# Altium PCB BCS1_REV2.2.PcbDoc (part 3 of 4) (continued)
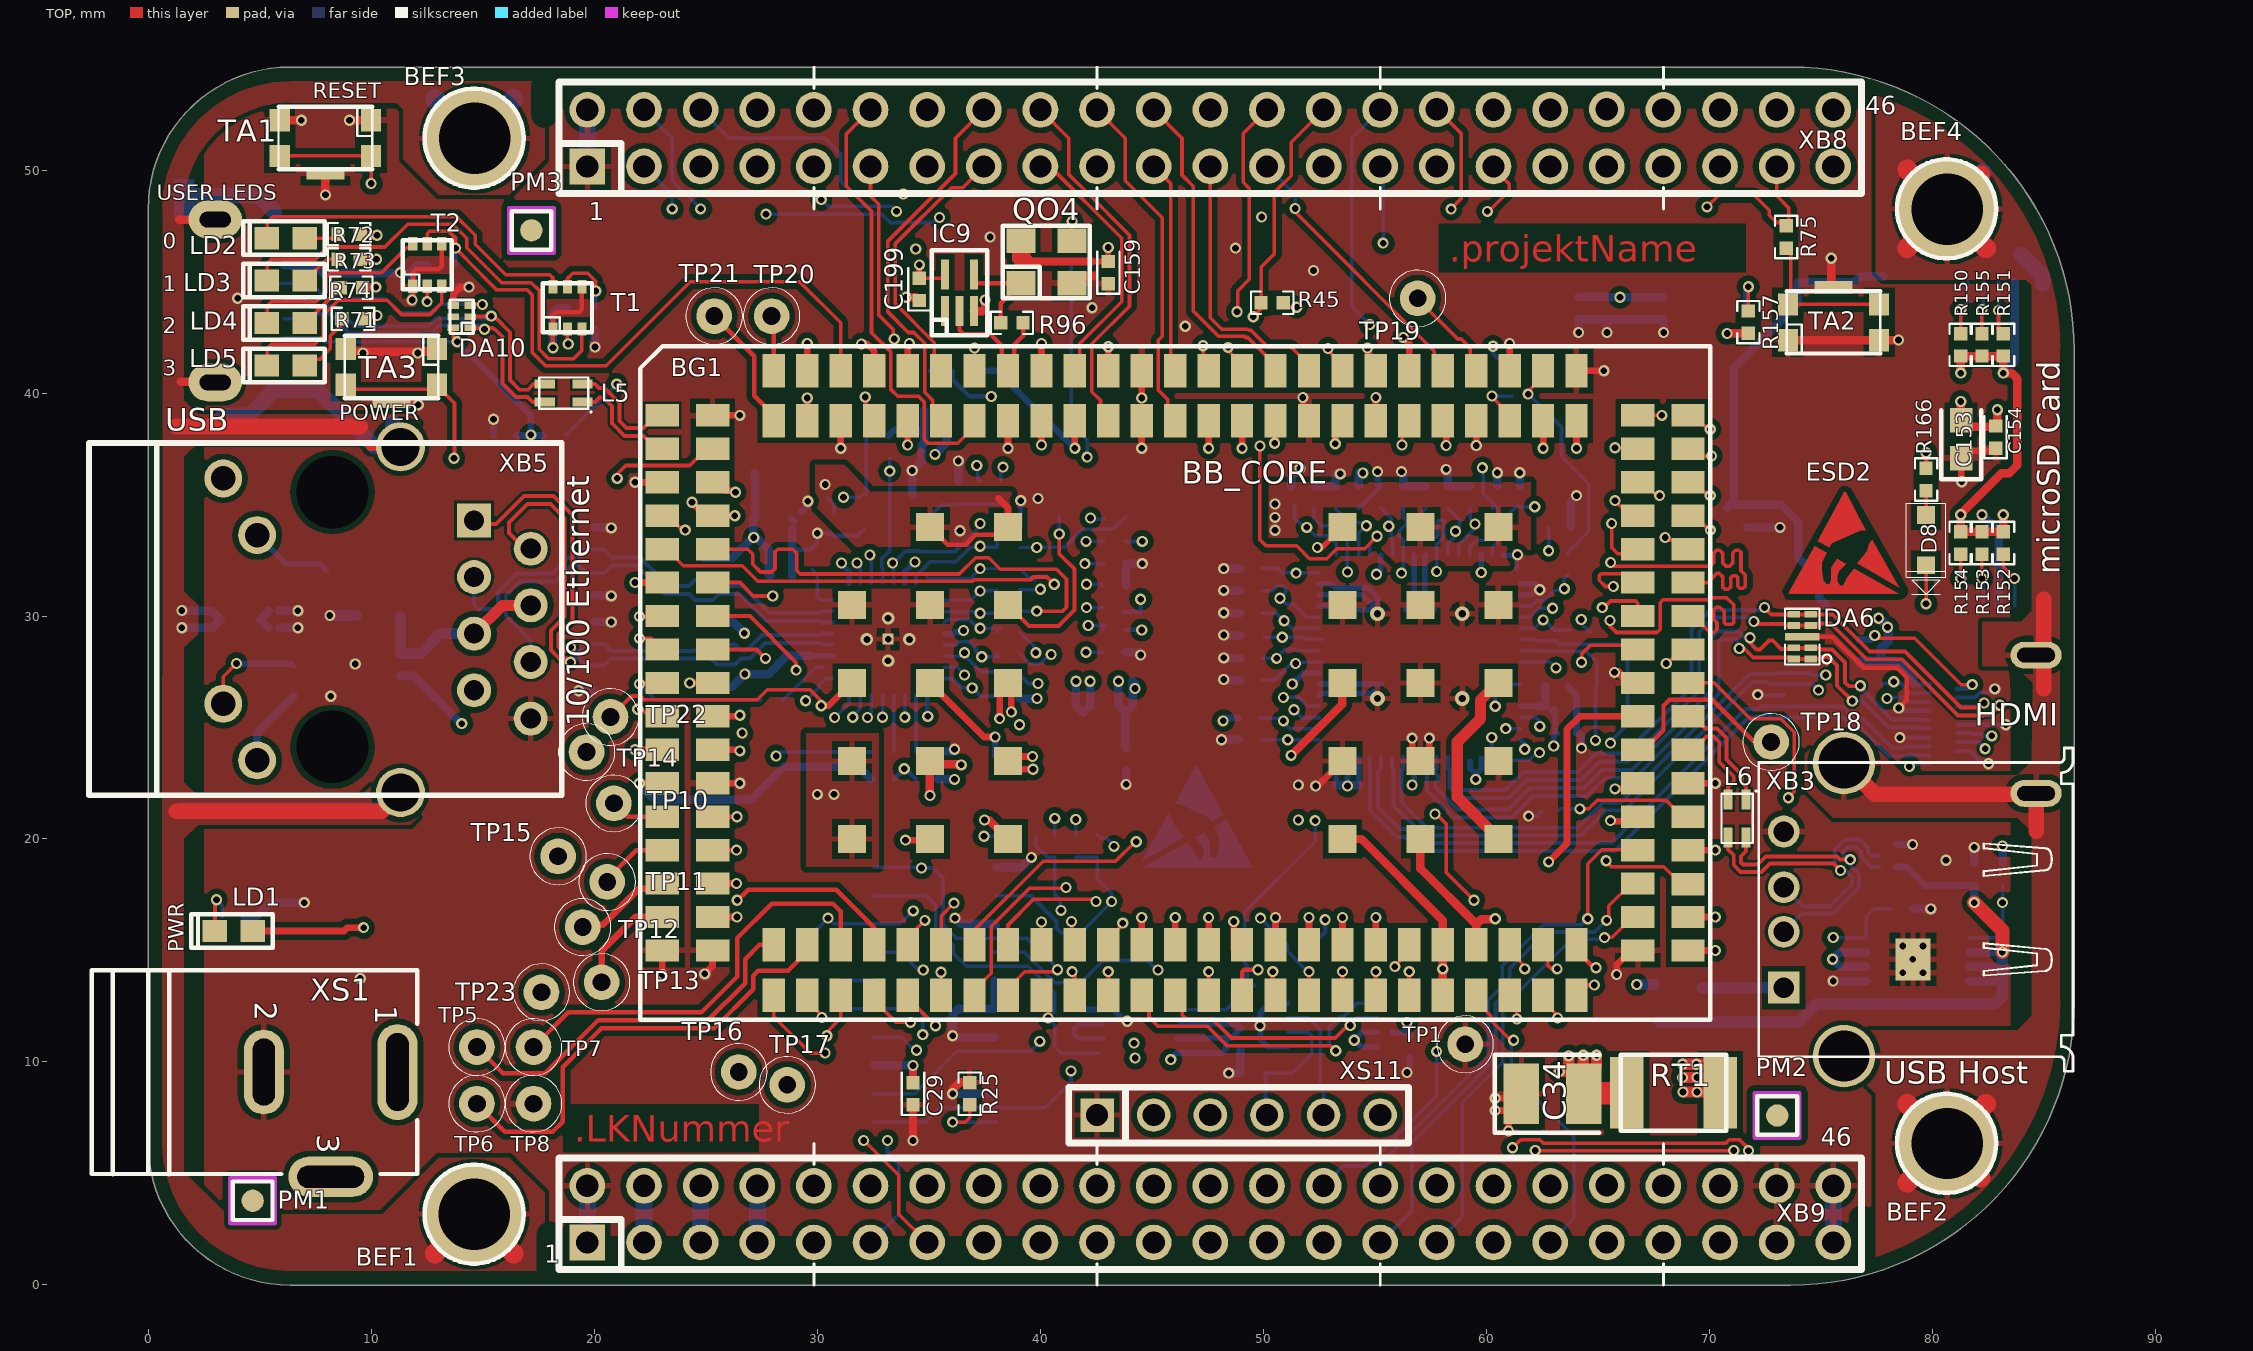
[diagram p0: TOP view]
## Nets (pads, with @x,y where several pads share a name; then routed paths per layer and width w, separated by ;. In a path a pad name is that pad's centre, name@x,y a point inside that pad or via, vN(x,y) a via of type N, cw(c..) or ccw(c..) an arc to the next point about the centre after c; other vN are vias at no path point) (continued)
  BOTTOM w0.16: v1(31.588,25.457) 31.588,25.515 31.924,25.852 IC14.23@31.924,26.435
MII1_TXD2: BG1.25 IC14.24 | length 8.7
  TOP w0.178: BG1.25@25.3,28.5 27.275,28.5 v1(27.675,28.1)
  LAYER 3 w0.178: v1(27.675,28.1) 27.675,27.525 28.454,26.746 30.154,26.746 30.775,26.125 v1(30.775,25.45)
  BOTTOM w0.16: v1@30.788,25.438 31.424,26.074 IC14.24@31.424,26.435
MII1_TXD3: BG1.8 IC14.25 | length 11.5
  TOP w0.16: v1(22.025,29) 22.55,29 BG1.8@23.05,28.5
  LAYER 3 w0.16: v1(22.025,29) 24.375,29 26.88,26.495 28.133,26.495 28.428,26.2 v1(29.475,26.2)
  BOTTOM w0.16: v1(29.475,26.2) 30.064,26.789 30.064,26.881 30.381,27.199 IC14.25@30.66,27.199
MII1_TXEN: BG1.10 IC14.21 | length 14.5
  TOP w0.16: v1(21.946,25.821) 21.951,25.826 21.946,25.826 21.926,25.826 21.934,25.834 22.025,25.925 22.037,25.913 22.45,25.5 BG1.10@23.05,25.5
  LAYER 3 w0.16: v1(21.946,25.821) 21.951,25.826 21.946,25.826 21.926,25.826 21.934,25.834 22.275,26.175 28,26.175 29.25,24.925 32.775,24.925 32.925,25.075 v1(32.925,25.457)
  BOTTOM w0.16: v1(32.925,25.457) IC14.21@32.925,26.435
MMC0_CD: BG1.42 R157.2 XB10.10 XS2.19 | length 75.8
  TOP w0.16: BG1.42@38.55,13 38.55,13.3 39.3,14.05 40.7,14.05 40.777,14.127 40.787,14.137 v1(40.767,14.137) ; R157.2@71.755,43.688 v1(71.755,44.767)
  LAYER 3 w0.16: v1(34.675,18.7) 34.7,18.7 34.725,18.675 39.793,18.675 41.503,20.385 41.795,20.385 41.93,20.52 51.17,20.52 51.375,20.315 66.39,20.315 67.865,21.79 67.865,24.99 69.275,26.4 69.275,30.775 71.6,33.1 71.6,40.975 71.755,41.13 v1(71.755,44.767)
  BOTTOM w0.16: XS2.19@32.537,18.732 v1@34.675,18.732 ; v1(34.675,18.7) 35.175,18.7 35.635,18.24 35.635,16.147 36.225,15.557 39.397,15.557 40.792,14.162 40.8,14.155 40.8,14.15 40.787,14.137 v1(40.767,14.137) ; XB10.10@71.606,43.694 71.606,44.618 v1(71.755,44.767)
MMC0_CLKO: BG1.65 R152.2 XB10.5 | length 72.7
  TOP w0.16: BG1.65@35.55,15.25 35.55,16.55 v1(36.125,17.125) ; R152.2@83.185,32.766 83.185,32.197 v1(83.695,31.686)
  LAYER 3 w0.16: v1(36.125,17.125) 36.55,17.125 36.825,16.85 36.825,16.2 37,16.025 37.225,16.025 37.4,16.2 37.4,16.843 37.575,17.018 37.85,17.018 38.025,16.843 38.025,16.175 38.175,16.025 38.525,16.025 38.675,16.175 38.675,16.818 38.875,17.018 39.494,17.018 40.901,18.425 43.642,18.425 43.682,18.385 50.505,18.385 50.645,18.245 58.847,18.245 58.982,18.38 59.918,18.38 60.422,17.876 61.004,17.876 61.439,17.44 63.514,17.44 63.949,17.875 65.95,17.875 69.145,21.07 69.145,24.27 76.675,31.8 77.025,31.8 77.225,31.6 77.5,31.6 77.7,31.8 77.7,32.05 77.45,32.3 77.45,32.575 78,33.125 80.1,33.125 80.2,33.225 80.2,34.175 80.4,34.375 80.625,34.375 80.8,34.2 80.8,32.65 81.05,32.4 81.575,32.4 81.8,32.625 81.8,33.7 81.975,33.875 82.375,33.875 82.55,33.7 82.55,32.832 82.825,32.557 82.825,31.35 83.05,31.125 83.5,31.125 83.695,31.32 v1(83.695,31.686)
  BOTTOM w0.16: XB10.5@83.695,30.462 v1(83.695,31.686)
MMC0_CMD: BG1.64 R151.2 XB10.3 | length 72.8
  TOP w0.16: BG1.64@34.05,15.25 34.05,15.575 34.825,16.35 v1(34.823,16.352) ; v1(82.975,43.7) 82.975,42.882 R151.2@83.185,42.672
  LAYER 3 w0.16: v1(34.823,16.352) 34.825,16.35 34.825,16.518 35.922,17.615 37.61,17.615 37.887,17.338 39.361,17.338 40.773,18.75 43.77,18.75 43.815,18.705 50.637,18.705 50.777,18.565 58.714,18.565 58.849,18.7 60.051,18.7 60.555,18.196 61.136,18.196 61.572,17.76 63.382,17.76 63.817,18.195 65.795,18.195 68.825,21.225 68.825,24.45 77.625,33.25 78.175,33.8 79.5,33.8 79.725,34.025 79.725,34.35 79.375,34.7 79.375,35 79.725,35.35 79.975,35.35 80.2,35.125 80.625,35.125 80.8,35.3 80.8,35.75 80.575,35.975 80.575,36.2 81.25,36.875 81.45,36.875 81.625,36.7 82.05,36.7 82.2,36.85 82.2,37.2 81.975,37.425 81.975,37.6 82.425,38.05 82.425,43.15 v1(82.975,43.7)
  BOTTOM w0.16: v1(82.975,43.7) v1@83,43.7 ; XB10.3@82.995,44.976 82.995,43.705 v1@83,43.7 ; v1@83,43.7 83.133,43.7 83.067,43.633 v1@83,43.7
MMC0_DAT0: BG1.67 R153.2 XB10.7 | length 72.8
  TOP w0.16: v1@42.4,17.3 v1(42.5,17.2) ; v1(82.233,31.686) R153.2@82.233,32.766
  TOP w0.17: BG1.67@38.55,15.25 38.55,16.15 39.7,17.3 v1@42.4,17.3
  LAYER 3 w0.16: v1(42.5,17.2) 43.04,17.74 50.245,17.74 50.38,17.605 59.112,17.605 59.247,17.74 59.653,17.74 60.157,17.236 60.738,17.236 61.174,16.8 63.779,16.8 64.214,17.235 66.41,17.235 67.079,17.904 67.275,17.904 67.829,17.35 68.05,17.35 68.275,17.575 68.275,17.754 67.725,18.304 67.725,18.55 67.925,18.75 68.125,18.75 69.175,17.7 69.425,17.7 69.625,17.9 69.625,18.1 68.55,19.175 68.55,19.375 68.754,19.579 68.95,19.579 69.25,19.279 69.5,19.279 69.7,19.479 69.7,19.679 69.4,19.979 69.4,20.225 69.785,20.61 69.785,21.235 69.925,21.375 70.625,21.375 70.775,21.525 70.775,21.8 70.625,21.95 69.95,21.95 69.785,22.115 69.785,22.864 70.804,23.883 71,23.883 71.3,23.583 71.55,23.583 71.75,23.783 71.75,23.983 71.45,24.283 71.45,24.529 72.654,25.733 72.85,25.733 73.15,25.433 73.4,25.433 73.6,25.633 73.6,25.833 73.3,26.133 73.3,26.379 73.475,26.554 73.671,26.554 73.971,26.254 74.221,26.254 74.421,26.454 74.421,26.654 74.121,26.954 74.121,27.2 75.029,28.108 75.225,28.108 75.525,27.808 75.775,27.808 75.975,28.008 75.975,28.208 75.675,28.508 75.675,28.754 75.954,29.033 76.15,29.033 76.45,28.733 76.7,28.733 76.9,28.933 76.9,29.133 76.6,29.433 76.6,29.679 77.471,30.55 77.643,30.55 78.468,29.725 78.6,29.725 78.8,29.925 78.8,30.075 78.075,30.8 78.075,30.925 78.225,31.075 80.475,31.075 80.625,30.925 80.625,30.3 80.775,30.15 81,30.15 81.175,30.325 81.175,30.925 81.325,31.075 81.621,31.075 v1(82.233,31.686)
  BOTTOM w0.16: v1(82.233,31.686) 82.295,31.624 XB10.7@82.295,30.462
MMC0_DAT1: BG1.41 R154.2 XB10.8 | length 72.7
  TOP w0.16: BG1.41@37.05,13 37.05,13.225 37.8,13.975 37.8,16.089 37.951,16.24 37.965,16.24 39.525,17.8 v1@41.15,17.8 ; v1(81.28,31.686) R154.2@81.28,32.766
  LAYER 3 w0.16: v1(41.15,17.825) 41.15,17.3 41.325,17.125 41.91,17.125 42.01,17.225 42.01,17.91 42.175,18.075 43.54,18.075 43.55,18.065 50.372,18.065 50.512,17.925 58.979,17.925 59.114,18.06 59.786,18.06 60.29,17.556 60.871,17.556 61.307,17.12 63.647,17.12 64.082,17.555 66.083,17.555 69.465,20.937 69.465,23.069 69.871,23.475 69.871,23.721 69.571,24.021 69.571,24.221 69.771,24.421 70.021,24.421 70.321,24.121 70.517,24.121 70.721,24.325 70.721,24.571 70.421,24.871 70.421,25.071 70.621,25.271 70.871,25.271 71.171,24.971 71.367,24.971 71.546,25.15 71.546,25.396 71.246,25.696 71.246,25.896 71.446,26.096 71.696,26.096 71.996,25.796 72.192,25.796 72.85,26.454 72.85,26.7 72.55,27 72.55,27.2 72.75,27.4 73,27.4 73.3,27.1 73.496,27.1 73.796,27.4 73.796,27.646 73.496,27.946 73.496,28.146 73.696,28.346 73.946,28.346 74.246,28.046 74.442,28.046 74.771,28.375 74.771,28.621 74.471,28.921 74.471,29.121 74.671,29.321 74.921,29.321 75.221,29.021 75.417,29.021 75.75,29.354 75.75,29.6 75.45,29.9 75.45,30.1 75.65,30.3 75.9,30.3 76.2,30 76.396,30 76.625,30.229 76.625,30.475 76.325,30.775 76.325,30.975 76.525,31.175 76.775,31.175 77.075,30.875 77.271,30.875 77.828,31.432 78.05,31.432 78.175,31.558 ; 78.175,31.575 78.175,32.617 78.333,32.775 78.567,32.775 78.725,32.617 78.725,31.575 78.868,31.432 79.297,31.432 79.422,31.558 ; 79.422,31.575 79.422,32.617 79.554,32.75 79.839,32.75 79.972,32.617 79.972,31.575 80.122,31.425 81.018,31.425 v1(81.28,31.686)
  BOTTOM w0.16: v1(81.28,31.686) 81.595,31.371 XB10.8@81.595,30.462
MMC0_DAT2: BG1.66 R150.2 XB10.1 | length 72.7
  TOP w0.16: BG1.66@37.05,15.25 37.05,15.925 40.125,19 43.375,19 44.255,19.88 44.259,19.876 v1(44.302,19.876) ; R150.2@81.28,42.672 v1(81.28,43.752)
  LAYER 3 w0.16: v1(44.302,19.876) 44.259,19.876 44.41,19.725 44.6,19.725 44.75,19.875 44.75,20.1 44.825,20.175 45.2,20.175 45.3,20.075 45.3,19.875 45.45,19.725 45.775,19.725 45.925,19.875 45.925,20.1 46,20.175 46.375,20.175 46.475,20.075 46.475,19.875 46.625,19.725 46.95,19.725 47.1,19.875 47.1,20.1 47.175,20.175 47.55,20.175 47.65,20.075 47.65,19.875 47.8,19.725 48.175,19.725 48.325,19.875 48.325,20.1 48.4,20.175 48.775,20.175 48.875,20.075 48.875,19.875 49.025,19.725 49.375,19.725 49.525,19.875 49.525,20.1 49.6,20.175 49.975,20.175 50.075,20.075 50.075,19.875 50.225,19.725 50.475,19.725 50.625,19.875 50.625,20.1 50.7,20.175 51,20.175 51.175,20 51.175,19.875 58.214,19.875 58.334,19.995 66.545,19.995 68.185,21.635 68.185,24.735 79.15,35.7 79.15,35.875 78.425,36.6 78.425,36.85 78.625,37.05 78.825,37.05 79.579,36.296 79.746,36.296 80.6,37.15 80.6,37.296 80.175,37.721 80.175,37.95 80.375,38.15 80.596,38.15 81,37.746 81.196,37.746 81.775,38.325 81.775,42.1 81.625,42.25 81.4,42.25 81.25,42.4 81.25,42.625 81.425,42.8 81.625,42.8 81.775,42.95 81.775,43.256 v1(81.28,43.752)
  BOTTOM w0.16: v1(81.28,43.752) 81.595,44.067 XB10.1@81.595,44.976
MMC0_DAT3: BG1.40 R155.2 XB10.2 | length 72.8
  TOP w0.16: BG1.40@35.55,13 v1(35.55,14.025) ; R155.2@82.233,42.672 v1(82.233,43.752)
  LAYER 3 w0.16: v1(35.55,14.025) 35.55,14.475 33.812,16.213 33.812,17.012 34.775,17.975 39.546,17.975 40.641,19.07 42.62,19.07 42.775,19.225 42.775,19.836 43.114,20.175 43.49,20.175 43.792,19.873 43.792,19.633 44.075,19.35 58.142,19.35 58.452,19.66 66.705,19.66 68.505,21.46 68.505,24.602 82.095,38.192 82.095,38.195 82.1,38.2 82.1,43.619 v1(82.233,43.752)
  BOTTOM w0.16: v1(82.233,43.752) 82.295,43.814 XB10.2@82.295,44.976
MMC1_CLK: BG1.131 XB8.21 | length 9.3
  TOP w0.16: XB8.21@45.085,50.165 45.847,49.403 BG1.131@45.847,41.203
MMC1_CMD: BG1.156 XB8.20 | length 15.6
  TOP w0.16: XB8.20@42.545,52.705 43.815,51.435 43.815,49.53 45.475,47.87 45.475,42.55 45.29,42.365 45.29,40.135 45.725,39.7 45.725,39.075 BG1.156@46.05,38.75
MMC1_DAT0: BG1.123 XB8.25 | length 12.5
  TOP w0.16: v1(51.43,48.28) 51.43,48.12 57.675,41.875 57.675,41.375 BG1.123@58.05,41
  BOTTOM w0.16: XB8.25@50.165,50.165 51.43,48.9 ; v1(51.43,48.28) 51.43,48.9 ; 51.43,48.915 51.43,48.9 ; 51.435,48.895 51.43,48.9
MMC1_DAT1: BG1.124 XB8.24 | length 15.7
  TOP w0.3: v1(56.275,42.5) 56.55,42.225 BG1.124@56.55,41
  LAYER 6 w0.3: XB8.24@47.625,52.705 48.905,51.425 48.905,49.395 49.45,48.85 49.925,48.85 v1(56.275,42.5)
MMC1_DAT2: BG1.125 XB8.5 | length 34.5
  TOP w0.16: BG1.125@54.775,41.275 BG1.125@55.05,41
  TOP w0.3: v1@54.6,42.075 54.662,42.013 54.7,41.975 54.7,41.775 BG1.125@54.9,41.575
  LAYER 6 w0.16: XB8.5@24.765,50.165 26.28,48.65 27.05,48.65 27.675,48.025 v2(27.7,48.025) ; v2(35.475,47.875) 35.475,47.85 37.275,46.05 39,46.05 39.3,45.75 50.35,45.75 54.075,42.025 v1(54.675,42.025)
  BOTTOM w0.16: v2(27.7,48.025) 32.9,48.025 33.275,47.65 35.25,47.65 v2(35.475,47.875)
MMC1_DAT3: BG1.126 XB8.6 | length 34.9
  TOP w0.16: v2(52.903,42.002) 52.875,41.974 52.875,41.95 53.25,41.575 53.25,41.3 BG1.126@53.55,41
  LAYER 6 w0.16: v2(33.85,48.925) 33.85,48.807 36.927,45.73 38.867,45.73 39.195,45.402 49.705,45.402 51.01,44.098 51.01,43.647 52.302,42.355 52.55,42.355 v2(52.903,42.002)
  BOTTOM w0.16: XB8.6@24.765,52.705 26.035,51.435 30.34,51.435 31.05,50.725 31.05,49.5 31.65,48.9 v2@33.85,48.9
MMC1_DAT4: BG1.127 XB8.23 | length 12.3
  TOP w0.16: XB8.23@47.625,50.165 47.625,43.375 48.14,42.86 49.302,42.86 49.349,42.812 49.449,42.812 50.187,42.075 51.225,42.075 52.05,41.25 BG1.127@52.05,41
MMC1_DAT5: BG1.128 XB8.22 | length 14.7
  TOP w0.16: XB8.22@45.085,52.705 46.355,51.435 46.355,49.784 46.863,49.276 46.863,43.684 48.007,42.54 49.169,42.54 49.217,42.492 49.308,42.492 50.55,41.25 BG1.128@50.55,41
MMC1_DAT6: BG1.129 XB8.3 | length 31.8
  TOP w0.16: v2(48.425,42.05) 48.425,41.9 49.05,41.275 BG1.129@49.05,41
  LAYER 6 w0.16: v1(23.495,48.26) 23.985,48.75 25.727,48.75 26.147,48.33 26.702,48.33 28.042,46.99 29.083,46.99 32.836,43.237 35.01,43.237 35.212,43.035 41.969,43.035 41.989,43.015 43.56,43.015 44.075,42.5 46.75,42.5 46.875,42.625 47.85,42.625 v2(48.425,42.05)
  BOTTOM w0.16: XB8.3@22.225,50.165 23.495,48.895 v1(23.495,48.26)
MMC1_DAT7: BG1.130 XB8.4 | length 32.2
  TOP w0.16: v2(47.3,42.125) 47.3,41.25 BG1.130@47.55,41
  LAYER 6 w0.16: v1(24.765,48.26) 24.874,48.369 25.656,48.369 26.015,48.01 26.569,48.01 27.97,46.609 28.966,46.609 32.727,42.848 33.179,42.848 33.249,42.917 34.878,42.917 35.08,42.715 40.9,42.715 40.92,42.695 43.405,42.695 44.275,41.825 47,41.825 v2(47.3,42.125)
  BOTTOM w0.16: XB8.4@22.225,52.705 23.495,51.435 23.495,49.53 v1(24.765,48.26)
MODE2: IC14.15 R113.2 R138.2 | length 8.2
  LAYER 6 w0.2: v1(33.9,23.15) 34.425,23.15 36.325,25.05 36.325,27.15 36.6,27.425 36.602,27.423 v1(36.602,27.351)
  BOTTOM w0.16: IC14.15@35.69,27.699 36.301,27.699 36.541,27.459 v1@36.541,27.362
  BOTTOM w0.2: R138.2@33.425,22.675 v1(33.9,23.15) ; v1@33.925,23.175 R113.2@34.425,22.675
NetIC6_5: IC6.5 R21.1 | length 2.9
  BOTTOM w0.16: IC6.5@46.65,12.35 48.35,12.35 48.6,12.6 R21.1@48.6,13.425
NetIC9_4: IC9.4 QO4.1 R96.2 | length 4.6
  TOP w0.2: IC9.4@37.025,45.325 37.025,45 37.1,44.925 QO4.1@39.125,44.925 38.225,44.025 R96.2@38.225,43.15
NetIC11_49: IC11.49 R149.1 | length 2.6
  BOTTOM w0.16: R149.1@49.9,24.45 IC11.49@52.5,24.45
  other v1: 51.1,24.45
NetQO4_3: QO4.3 R167.1 | length 1.8
  TOP w0.16: QO4.3@41.383,46.842 41.383,47.678 41.406,47.702 v1(41.427,47.702)
  BOTTOM w0.121: v1@41.383,47.659 41.425,47.702 v1(41.427,47.702)
  BOTTOM w0.16: R167.1@41.383,46.843 v1@41.383,47.659
NetR75_2: R75.2 TA2.2 TA2.3 | length 6.5
  TOP w0.16: TA2.2@73.515,43.98 TA2.3@77.615,43.98 ; TA2.2@73.66,44.125 R75.2@73.66,46.482
NetR130_1: R130.1 XB5.11 | length 4.8
  TOP w0.16: XB5.11@3.353,26.06 3.353,27.278 v1(3.95,27.875) v1@3.95,27.94
  BOTTOM w0.16: R130.1@6.41,27.865 R130.1@6.575,27.7
  BOTTOM w0.3: v1@3.95,27.865 R130.1@6.41,27.865
NetR132_1: R132.1 XB5.10 | length 3.7
  BOTTOM w0.254: XB5.10@4.877,33.63 6.156,32.35 7.7,32.35 R132.1@7.975,32.075
PE1: BEF1.1 BEF3.1 R136.2 R163.2 XB4.6 XB4.7 XB4.8 XB4.9 XB4.MH1 XB4.MH2 XB5.15 XB5.16 | length 115.5
  TOP w0.381: 1.375,47.783 XB4.MH1@2.996,47.783 ; 1.44,40.5 XB4.MH2@2.675,40.5 ; 9.939,37.59 XB5.15@11.305,37.59
  TOP w0.7: 1.25,21.25 10.47,21.25 XB5.16@11.305,22.085 ; 1.25,38.5 9.5,38.5
  TOP w0.889: 12.839,1.409 BEF1.1@14.605,3.175 16.371,1.409
  LAYER 4_PWR1 w0.7: 1.2,47.825 1.242,47.783 XB4.MH1@2.996,47.783 ; 9.1,38.6 10.295,38.6 XB5.15@11.305,37.59 ; 9.6,21.5 10.185,22.085 XB5.16@11.305,22.085
  LAYER 4_PWR1 w0.889: 12.839,1.409 BEF1.1@14.605,3.175 ; 12.839,4.941 BEF1.1@14.605,3.175 ; 12.839,49.669 BEF3.1@14.605,51.435 ; 12.839,53.201 BEF3.1@14.605,51.435 ; 16.371,1.409 BEF1.1@14.605,3.175 ; 16.371,4.941 BEF1.1@14.605,3.175 ; 16.371,53.201 BEF3.1@14.605,51.435
  LAYER 5_PWR2 w0.5: 9,21 10.22,21 XB5.16@11.305,22.085 ; 9.75,38.25 10.41,37.59 XB5.15@11.305,37.59
  LAYER 5_PWR2 w0.889: 12.839,1.409 BEF1.1@14.605,3.175 ; 12.839,4.941 BEF1.1@14.605,3.175 ; 12.839,49.669 BEF3.1@14.605,51.435 ; 12.839,53.201 BEF3.1@14.605,51.435 ; 16.371,1.409 BEF1.1@14.605,3.175 ; 16.371,4.941 BEF1.1@14.605,3.175 ; 16.371,49.669 BEF3.1@14.605,51.435 ; 16.371,53.201 BEF3.1@14.605,51.435
  BOTTOM w0.381: v1@1.5,29.464 2.857,29.464 3.238,29.845 2.857,30.226 v1@1.5,30.226
  BOTTOM w0.7: 1.375,48.85 4.929,48.85 XB4.6@5.646,48.132 ; 1.525,21.3 10.52,21.3 XB5.16@11.305,22.085 ; 3.35,39 4.514,39 XB4.7@5.646,40.133 7.568,40.133 8.225,39.475 ; 8.137,39.612 10.16,37.59 XB5.15@11.305,37.59 11.305,38.09 XB5.15@11.225,38.17 ; XB5.15@10.95,38.22 10.95,38.7
  BOTTOM w0.889: 12.839,1.409 BEF1.1@14.605,3.175 16.371,1.409 ; 12.839,53.201 14.605,51.435 16.371,53.201
  other v1: 1.5,29.475 1.5,30.25
PE2: BEF2.1 BEF4.1 XB3.10 XB3.11 XB6.20 XB6.21 XB6.22 XB6.23 XB10.11 XB10.12 XB10.13 XB10.14 XB10.15 XB10.16 | length 122.9
  TOP w0.7: XB3.11@76.043,23.405 77.448,22 84.614,22 XB6.23@84.66,22.046 84.66,20.34 ; 85,26.75 85,30.75
  TOP w0.889: 78.879,4.584 BEF2.1@80.645,6.35 ; 78.879,8.116 BEF2.1@80.645,6.35 ; 78.879,46.494 BEF4.1@80.645,48.26 ; 78.879,50.026 BEF4.1@80.645,48.26 ; BEF4.1@82.155,49.77 BEF4.1@80.645,48.26 ; BEF2.1@82.17,4.825 BEF2.1@80.645,6.35 ; 82.411,8.116 BEF2.1@80.645,6.35 ; 82.411,46.494 BEF4.1@80.645,48.26
  LAYER 4_PWR1 w0.7: 77.85,6.225 BEF2.1@81.85,6.225 ; BEF2.1@79.151,6.467 83.151,6.467 ; 80.675,45.525 80.675,50.75 ; BEF2.1@80.75,6.225 80.75,10.225 ; 85,26.525 85,30.525 ; 85.025,20.425 85.025,24.425
  LAYER 5_PWR2 w0.889: 78.879,4.584 BEF2.1@80.645,6.35 ; 78.879,8.116 BEF2.1@80.645,6.35 ; 78.879,46.494 BEF4.1@80.645,48.26 ; 78.879,50.026 BEF4.1@80.645,48.26 ; BEF4.1@82.18,49.795 BEF4.1@80.645,48.26 ; 82.296,4.699 BEF2.1@80.645,6.35 ; 82.411,8.116 BEF2.1@80.645,6.35 ; 82.411,46.494 BEF4.1@80.645,48.26
  BOTTOM w0.381: XB10.16@70.803,34.861 70.941,35 73.225,35 74.005,34.221 74.005,32.595 74.926,31.674 ; XB10.16@71.085,35.144 XB10.16@71.107,35.144 XB10.15@71.107,41.144 71.119,41.144 72.762,42.787 72.762,42.799 73.96,43.997 XB10.11@73.96,44.969 76.519,44.969 76.8,45.25 77.825,45.25 ; 74.925,31.674 74.925,30.804 XB10.12@75.26,30.469
  BOTTOM w0.7: 83.975,46.225 84.96,45.24 XB10.13@84.96,44.915
  BOTTOM w0.889: 78.879,4.584 BEF2.1@80.645,6.35 ; 78.879,8.116 BEF2.1@80.645,6.35 ; 78.879,46.494 BEF4.1@80.645,48.26 ; 78.879,50.026 BEF4.1@80.645,48.26 ; BEF2.1@82.173,4.822 BEF2.1@80.645,6.35 ; 82.242,49.857 BEF4.1@80.645,48.26 ; 82.411,8.116 BEF2.1@80.645,6.35 ; 82.411,46.494 BEF4.1@80.645,48.26
PHY_VDDCR: C134.2 C136.2 IC14.6 | length 8.8
  LAYER 6 w0.3: v1(34.377,32.427) 34.329,32.379 34.318,32.379 34.318,34.968 35.275,35.925 35.275,37.275 35.277,37.273 v2(35.277,37.252)
  BOTTOM w0.254: IC14.6@33.926,31.465 33.926,32.002 34.302,32.379 34.329,32.379 v1(34.377,32.427)
  BOTTOM w0.3: v2@35.272,37.278 35.277,37.273 v2(35.277,37.252)
  BOTTOM w0.381: v2(35.277,37.252) 35.8,37.775 C136.2@35.8,39.225
PHY_XTAL1: C143.1 Q3.1 R141.1 R142.2 | length 3.6
  BOTTOM w0.16: Q3.1@34.805,34.227 35.578,35 C143.1@36.225,35 ; C143.1@36.32,35.025 R141.1@38.225,35.025
PHY_XTAL2: IC14.4 R141.2 R143.1 | length 12
  LAYER 3 w0.16: v2(33.25,36.5) 33.825,35.925 37.5,35.925 38.252,36.677 v2(38.327,36.677)
  BOTTOM w0.16: IC14.4@32.925,31.465 32.939,31.479 32.939,32.121 32.887,32.174 32.887,32.58 33.174,32.867 33.224,32.867 33.25,32.893 v2(33.25,36.5) R143.1@33.25,37.075 ; R141.2@38.225,36.073 v2@38.225,36.675
PHYX: C142.1 Q3.3 R143.2 | length 3.7
  BOTTOM w0.121: Q3.3@31.928,35.325 Q3.3@32.055,35.452
  BOTTOM w0.16: v1(31.175,35.325) Q3.3@31.928,35.325 ; Q3.3@32.2,35.415 C142.1@32.2,38.154
PWR_BUT: BG1.63 TA3.2 TA3.3 XB9.9 | length 65.5
  TOP w0.16: TA3.3@8.869,39.968 9.076,40.175 13.1,40.175 13.725,39.55 13.725,37.145 v1@13.655,37.075
  TOP w0.2: v1(26.401,17.251) 26.35,17.2 26.35,17.175 26.9,17.725 30.85,17.725 32.55,16.025 BG1.63@32.55,15.25
  LAYER 6 w0.16: v1(13.7,37.075) 12.8,36.175 12.8,24.541 15.141,22.2 18.775,22.2 22.75,18.225 25.457,18.225 26.401,17.281 v1(26.401,17.251) ; 25.45,15.525 25.45,13.75 23.663,11.963 23.663,7.737 26.025,5.375 26.025,3.625 26.45,3.2 28.55,3.2 XB9.9@29.845,1.905
  LAYER 6 w0.2: 25.45,15.525 25.75,15.825 25.75,16.6 v1(26.401,17.251)
PWR_LEDR: LD1.1 R12.1 | length 2.3
  TOP w0.121: v1@2.984,17.209 v1(3.048,17.272)
  TOP w0.16: LD1.1@2.984,15.875 v1@2.984,17.209
  BOTTOM w0.16: v1(3.048,17.272) 3.302,17.018 R12.1@3.302,16.51
RBIAS: IC14.32 R144.1 | length 2
  BOTTOM w0.16: R144.1@29.775,32.075 30,31.85 30,30.855 30.154,30.701 IC14.32@30.66,30.701
RCLKIN: IC14.5 R140.2 R142.1 | length 15.6
  TOP w0.16: v2@37.3,36.775 v2@37.303,36.772
  LAYER 3 w0.16: v1(37.302,34.152) 37.302,34.031 37.496,34.225 41.8,34.225 41.925,34.35 v2@42.275,34.35
  LAYER 6 w0.16: v1(37.302,34.152) 37.302,34.031 37.15,33.879 37.15,36.62 v2@37.303,36.772
  BOTTOM w0.121: 33.425,32.121 33.429,32.125
  BOTTOM w0.16: v1(33.377,32.377) 33.427,32.377 v1@33.429,32.379 ; IC14.5@33.425,31.465 33.425,32.121 ; 33.429,32.125 v1@33.429,32.379 ; R142.1@37.271,36.058 37.2,36.129 37.2,36.675 v2@37.3,36.775 ; v1@37.303,34.03 36.148,32.875 34.621,32.875 34.58,32.917 33.967,32.917 v1@33.429,32.379 ; v1@37.302,34.031 v1(37.302,34.152) ; v2@42.275,34.35 R140.2@42.875,34.35
  other v2: 42.25,34.4 37.15,36.75
REFCLKO: IC14.7 R118.1 R124.2 R131.2 | length 11.7
  LAYER 3 w0.16: v1(37.302,33.127) 37.302,33.078 37.792,32.587 40.838,32.587 41.6,33.35 v2(42.05,33.35)
  BOTTOM w0.16: IC14.7@34.426,31.465 34.426,31.852 34.461,31.887 34.53,31.887 34.867,32.224 34.867,32.242 35.067,32.442 36.223,32.442 36.858,33.077 37.303,33.077 38.065,33.077 R118.1@38.065,34.03 ; v1@37.302,33.078 v1(37.302,33.127) ; v2(42.05,33.35) R131.2@42.85,33.35
RX_N: C138.2 IC14.30 R121.2 XB5.6 | length 20.2
  BOTTOM w0.178: XB5.6@17.145,27.94 17.145,28.905 16.025,30.025 16.025,30.923 16.652,31.55 18.252,31.55 18.975,32.273 19.286,32.273 19.634,31.925 C138.2@20.025,31.925 20.434,31.925 20.781,32.273 21.9,32.273 23.175,30.998 24.237,30.998 24.509,30.725 R121.2@24.9,30.725 25.309,30.725 25.581,30.998 26.5,30.998 ; 26.498,31 26.5,30.998 ; IC14.30@30.674,29.715 30.184,29.715 30.112,29.787 27.711,29.787 26.5,30.998
RX_P: C137.2 IC14.31 R120.2 XB5.3 | length 20.2
  BOTTOM w0.177: XB5.3@14.605,31.75 14.605,30.52 14.8,30.325 15.5,30.325 15.675,30.5 15.675,31.075 16.505,31.905
  BOTTOM w0.178: 16.505,31.905 18.105,31.905 18.828,32.628 19.286,32.628 19.634,32.975 C137.2@20.025,32.975 20.434,32.975 20.781,32.628 22.048,32.628 23.322,31.353 24.237,31.353 24.509,31.625 R120.2@24.9,31.625 25.309,31.625 25.581,31.353 26.647,31.353 ; 26.645,31.355 26.647,31.353 ; IC14.31@30.674,30.215 30.184,30.215 30.112,30.142 27.858,30.142 26.647,31.353
RXD0/MODE0: IC14.11 R112.1 R128.2 | length 8.4
  LAYER 3 w0.16: v1(37.3,29.45) 37.425,29.575 v1(42.15,29.575)
  BOTTOM w0.16: IC14.11@35.69,29.701 35.83,29.841 36.809,29.841 v1@37.247,29.403 ; v1(37.3,29.45) R128.2@38.26,29.45 ; v1(42.15,29.575) R112.1@42.9,29.575
RXD1/MODE1: IC14.10 R114.1 R127.2 | length 8.4
  LAYER 3 w0.16: v1(37.302,30.126) 37.447,30.126 37.921,30.6 39.53,30.6 39.64,30.71 40.44,30.71 40.775,30.375 v1(42.075,30.375)
  BOTTOM w0.16: IC14.10@35.69,30.201 36.985,30.201 37.287,30.205 37.302,30.219 v1(37.302,30.126) 37.979,30.126 R127.2@38.072,30.22 ; v1(42.075,30.375) R114.1@42.8,30.375
RXD2/RMIISEL: IC14.9 R117.1 R126.2 | length 8.7
  LAYER 3 w0.16: v1(37.302,31.127) 37.302,31.172 38.055,31.925 41.575,31.925 v2(42.075,31.425)
  BOTTOM w0.16: IC14.9@35.69,30.701 36.877,30.701 v1(37.302,31.127) 38.026,31.127 R126.2@38.072,31.173 ; v2(42.075,31.425) 42.75,31.425 R117.1@42.825,31.35
RXD3/PHYAD2: IC14.8 R116.1 R125.2 | length 9
  LAYER 3 w0.16: v1(37.303,32.125) 37.428,32.25 41.925,32.25 41.975,32.3 41.975,32.325 v2(42,32.35)
  BOTTOM w0.121: v1(37.303,32.125) R125.2@38.065,32.125
  BOTTOM w0.16: IC14.8@34.925,31.725 34.975,31.675 36.853,31.675 v1(37.303,32.125) ; v2(42,32.35) R116.1@42.85,32.35
RXDV: IC14.26 R129.2 | length 2.4
  BOTTOM w0.16: R129.2@28.45,26.225 29.924,27.699 30.273,27.699
RXER/PHYAD0: IC14.13 R115.1 R133.2 | length 8.7
  LAYER 3 w0.16: v1@37.303,28.315 37.54,28.315 38.125,28.9 41.525,28.9 v1(42.05,28.375)
  BOTTOM w0.16: IC14.13@35.69,28.7 36.221,28.7 36.362,28.841 36.805,28.841 37.092,28.554 37.092,28.433 37.21,28.315 v1@37.303,28.315 ; v1(37.375,28.175) R133.2@38.145,28.175 ; v1(42.05,28.375) R115.1@42.825,28.375
SPI1_CS0: BG1.106 IC11.25 XB9.28 | length 34
  TOP w0.3: v1@65.575,20.8 BG1.106@66.8,20.8
  LAYER 3 w0.16: v2(63.125,27.675) 63.125,26.275 63.56,25.84 63.56,22.84 v1(65.575,20.825)
  LAYER 6 w0.16: v1@57.75,10.6 57.75,11.25 59.75,13.25 59.75,16.725 63.575,20.55 65.3,20.55 v1(65.575,20.825) v1@65.575,20.875
  BOTTOM w0.16: XB9.28@52.705,4.445 53.594,5.334 54.61,5.334 57.775,8.499 v1(57.775,10.475) ; IC11.25@61.55,27.95 62.85,27.95 v2(63.125,27.675)
SPI1_D0: BG1.104 IC11.24 XB9.29 | length 38.7
  TOP w0.16: v2(65.4,16.35) 65.5,16.45 65.5,17 66.5,18 BG1.104@66.8,18
  LAYER 6 w0.16: v2@64.875,24.325 64.825,24.275 64.825,21.772 65.282,21.315 65.778,21.315 66.075,21.018 66.075,17.025 v2(65.4,16.35)
  BOTTOM w0.16: XB9.29@55.245,1.905 56.65,3.31 56.65,6.375 60.415,10.14 60.415,12.637 61.05,13.272 61.05,14.193 62.687,15.83 64.862,15.83 65.382,16.35 v2(65.4,16.35) ; IC11.24@61.55,28.45 62.425,28.45 62.46,28.415 64.478,28.415 64.928,27.965 64.935,27.965 64.95,27.95 64.95,26.9 64.9,26.85 v2@64.9,24.325
  other v2: 64.9,24.425
SPI1_D1: BG1.105 XB9.30 | length 21.8
  TOP w0.16: v1(64.55,16.425) 64.55,18.891 65.184,19.525 66.775,19.525 BG1.105@66.8,19.5
  BOTTOM w0.16: XB9.30@55.245,4.445 55.245,5.423 60.095,10.273 60.095,12.77 60.725,13.4 60.725,14.321 62.554,16.15 64.275,16.15 v1(64.55,16.425)
SPI1_SCLK: BG1.103 IC11.23 XB9.31 | length 39.1
  TOP w0.16: v2(65.3,15.575) 65.325,15.6 65.65,15.6 BG1.103@66.675,16.625
  LAYER 6 w0.16: v2(65.3,15.575) 65.35,15.575 66.45,16.675 66.45,21.125 66.421,21.125 65.911,21.635 65.415,21.635 65.175,21.875 65.175,23.9 v2(65.575,24.3)
  BOTTOM w0.16: XB9.31@57.785,1.905 58.925,3.045 58.925,8.175 60.738,9.988 60.738,12.438 63.81,15.51 65.235,15.51 v2(65.3,15.575) ; IC11.23@61.55,28.95 62.165,28.95 62.23,28.885 63.11,28.885 63.11,28.876 63.251,28.735 66.067,28.735 66.335,28.468 66.335,25.135 v2@65.537,24.338
SYS_5V: BG1.B4 C34.2 IC8.2 IC8.3 R71.1 R72.1 R73.1 R74.1 RT1.1 XB9.7 XB9.8 | length 39.4
  TOP w0.381: R73.1@9.475,46 v1(10.225,46) ; R72.1@9.5,47.075 v1(10.25,47.075) ; R74.1@9.515,44.75 v1(10.2,44.75) ; R71.1@9.675,43.325 9.825,43.475 v1(10.25,43.475) ; v1(26.625,24.75) v1@26.675,24.7 ; v1(35.052,21.951) 35.052,22.123 35.05,22.125 BG1.B4@35.05,23.5 35.201,23.349 36.429,23.349 v1(36.452,23.326)
  TOP w0.5: v2(63.275,9.575) C34.2@63.765,9.575 ; C34.2@63.7,9.785 v2(63.7,10.275) ; C34.2@64.35,9.81 v2(64.35,10.3) ; C34.2@64.95,9.81 v2(64.95,10.3)
  TOP w1: C34.2@64.375,8.6 RT1.1@66.5,8.6
  LAYER 6 w0.762: v1(26.625,24.75) 27.25,24.75 27.275,24.775 27.35,24.7 27.35,14.725 24.284,11.659 24.284,8.216 27.305,5.195 XB9.8@27.305,4.445
  BOTTOM w0.381: IC8.2@77.036,14.28 75.862,14.28 v1(75.537,14.605) 75.862,14.93 IC8.3@77.036,14.93
  BOTTOM w0.762: XB9.7@27.305,1.905 XB9.8@27.305,4.445
SYS_RESETN: BG1.48 C30.2 IC14.19 TA1.2 TA1.3 XB9.10 XS2.15 | length 94.2
  TOP w0.16: TA1.3@5.887,50.635 TA1.2@9.987,50.635 v1(9.988,49.403)
  TOP w0.2: BG1.48@47.55,13 v1(47.55,14.05)
  LAYER 3 w0.16: v2(34.302,16.776) 34.325,16.752 34.325,16.157 35.857,14.625 36.422,14.625 36.82,15.023 43.255,15.023 44.718,13.56 47.06,13.56 v1(47.55,14.05)
  LAYER 6 w0.16: v1(9.988,49.403) 11.722,49.403 17.55,43.575 20.15,43.575 25.275,38.45 31.175,38.45 32.45,37.175 32.45,35.275 33.887,33.838 33.887,32.063 35.875,30.075 35.875,25.35 35.45,24.925 34.458,24.925 v1(33.926,25.457) 33.926,23.951 32.725,22.75 32.725,18.7 v1(30.475,16.45) 30.45,16.45 29.711,15.711 29.711,9.589 29.825,9.475 29.825,4.465 XB9.10@29.845,4.445
  BOTTOM w0.16: C30.2@29.55,15.625 29.65,15.625 v1(30.475,16.45) 30.732,16.192 XS2.15@32.537,16.192 33.718,16.192 v2(34.302,16.776) ; v1(33.926,25.457) IC14.19@33.926,26.435
TCT_RCT: C141.2 R137.1 XB5.4 XB5.5 | length 8.4
  TOP w0.5: XB5.5@14.605,29.21 15.875,30.48 XB5.4@17.145,30.48
  BOTTOM w0.5: C141.2@11.3,29.945 R137.1@11.3,28.325 12.225,28.325 13.11,29.21 XB5.5@14.605,29.21
TIMER4: BG1.148 XB8.7 | length 37.8
  TOP w0.3: v1(58.2,37.65) BG1.148@58.2,38.75
  LAYER 6 w0.16: XB8.7@27.305,50.165 27.305,50.045 28.675,48.675 v1(30.175,48.675) ; v1@33.625,48.275 33.925,48.275 36.82,45.38 38.765,45.38 39.063,45.082 49.573,45.082 50.69,43.965 50.69,43.514 53.073,41.132 53.073,40.45 55.322,38.2 57.625,38.2 58.05,37.775 v1@58.05,37.675
  BOTTOM w0.16: v1@30.175,48.687 30.487,48.375 33.325,48.375 v1(33.55,48.15)
TIMER5: BG1.149 XB8.9 | length 33.7
  TOP w0.16: v2(56.225,37.675) BG1.149@56.225,38.766
  LAYER 6 w0.16: XB8.9@29.845,50.165 31.86,48.15 31.86,47.512 34.262,45.11 34.311,45.11 34.371,45.05 38.642,45.05 38.93,44.762 49.44,44.762 50.37,43.833 50.37,43.382 52.753,40.999 52.753,40.317 55.395,37.675 v2(56.225,37.675)